# Allegro board BRD-05058-01_B04.brd (continued)
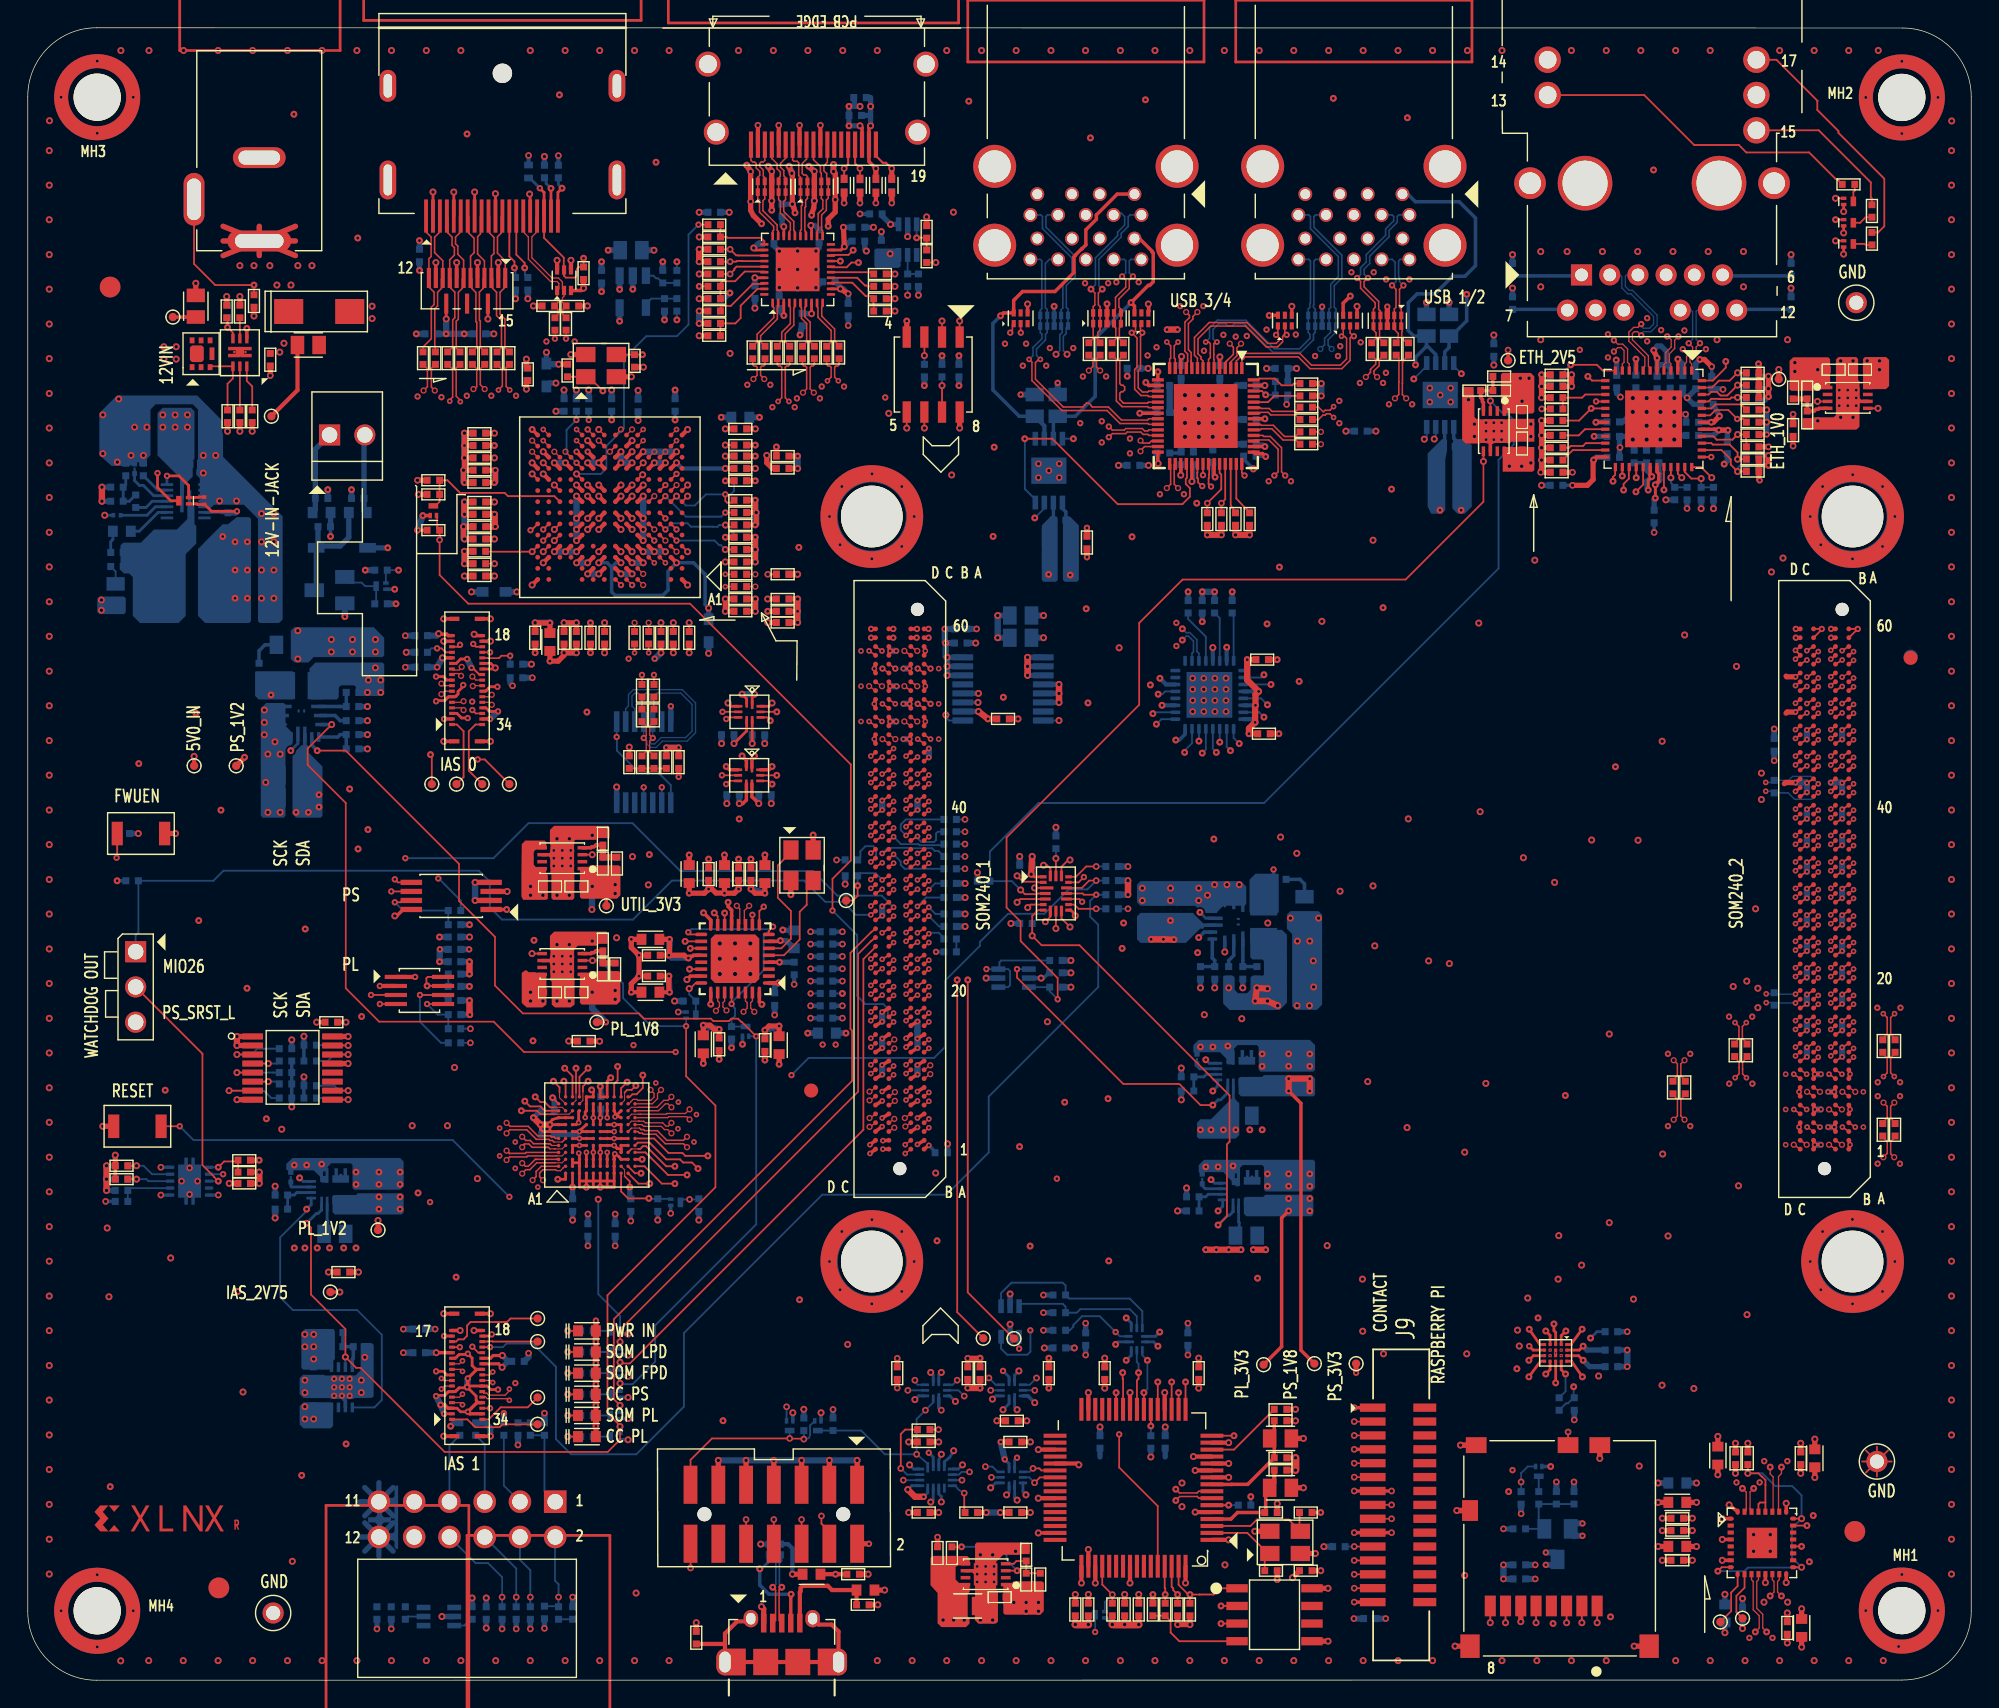
[diagram p0: board, top side]
## Footprints (pads in the part's own frame, mm; a bottom-side part is the same pattern mirrored in y, then rotated) (continued)
  rect 0.26x0.86 smd: 10(-1.25,-2.435) 11(-0.75,-2.435) 12(-0.25,-2.435) 13(0.25,-2.435) 14(0.75,-2.435) 15(1.25,-2.435) 26(1.25,2.435) 27(0.75,2.435) 28(0.25,2.435) 29(-0.25,2.435) 30(-0.75,2.435) 31(-1.25,2.435)
  rrect 3.5x3.5 smd: 33(0,0)
QFN05P500X500X100_32P_330EP
  rrect 0.72x0.26 smd: 1(-2.451,1.75) 2(-2.451,1.25) 3(-2.451,0.75) 4(-2.451,0.25) 5(-2.451,-0.25) 6(-2.451,-0.75) 7(-2.451,-1.25) 8(-2.451,-1.75) 17(2.451,-1.75) 18(2.451,-1.25) 19(2.451,-0.75) 20(2.451,-0.25) 21(2.451,0.25) 22(2.451,0.75) 23(2.451,1.25) 24(2.451,1.75)
  rrect 0.26x0.72 smd: 9(-1.75,-2.451) 10(-1.25,-2.451) 11(-0.75,-2.451) 12(-0.25,-2.451) 13(0.25,-2.451) 14(0.75,-2.451) 15(1.25,-2.451) 16(1.75,-2.451) 25(1.75,2.451) 26(1.25,2.451) 27(0.75,2.451) 28(0.25,2.451) 29(-0.25,2.451) 30(-0.75,2.451) 31(-1.25,2.451) 32(-1.75,2.451)
  rect 3.3x3.3 smd: 33(0,0)
QFN12_MPM3805A
  rrect 1.05x0.2 smd: 1(-1.025,0.7)
  rect 1.05x0.2 smd: 2(-1.025,0.3) 7(1.025,0.3) 8(1.025,0.7)
  custom 1.05x1.2 smd: 3-4(-1.025,-0.675) 5-6(1.025,-0.675)
  rect 0.2x0.7 smd: 9(0.6,1.45) 10(0.2,1.45) 11(-0.2,1.45) 12(-0.6,1.45)
QFN40P140X180X55-10
  rrect 0.7x0.2 smd: 1(-0.55,0.2)
  rrect 0.6x0.2 smd: 2(-0.6,-0.2) 6(0.6,-0.2) 7(0.6,0.2)
  rrect 0.2x0.6 smd: 3(-0.4,-0.8) 4(0,-0.8) 5(0.4,-0.8) 8(0.4,0.8) 9(0,0.8) 10(-0.4,0.8)
QFN40P300X300X100-16_MP8772
  rect 0.9x0.2 smd: 1(-1.35,1.2) 2(-1.35,0.8) 3(-1.35,0.4) 4(-1.35,0) 5(-1.35,-0.4) 6(-1.35,-0.8) 7(-1.35,-1.2) 9(1.35,-1.2) 10(1.35,-0.8) 11(1.35,-0.4) 12(1.35,0) 13(1.35,0.4) 14(1.35,0.8) 15(1.35,1.2)
  rect 0.25x2.6 smd: 8(-0.275,-0.5) 16(0.275,0.5)
QFN_40P200X300X60-20
  rect 0.48x0.23 smd: 1(-0.907,1.2) 2(-0.907,0.8) 6(-0.907,-0.8) 7(-0.907,-1.2) 11(0.907,-1.2) 12(0.907,-0.8) 16(0.907,0.8) 17(0.907,1.2)
  rect 0.975x0.23 smd: 3(-0.663,0.4)
  rect 0.775x0.23 smd: 4(-0.762,0) 5(-0.762,-0.4) 13(0.762,-0.4) 14(0.762,0) 15(0.762,0.4)
  rect 0.23x0.775 smd: 8(-0.4,-1.262) 9(0,-1.262) 10(0.4,-1.262) 18(0.4,1.262) 19(0,1.262) 20(-0.4,1.262)
QFN_MP8904DD_8
  rect 0.7x0.25 smd: 1(-1.45,0.75) 2(-1.45,0.25) 3(-1.45,-0.25) 4(-1.45,-0.75) 5(1.45,-0.75) 6(1.45,-0.25) 7(1.45,0.25) 8(1.45,0.75)
  rect 1.7x1.6 smd: 9(0,0)
QFN_RSV_16
  rect 0.75x0.2 smd: 1(-0.725,0.6)
  rect 0.65x0.2 smd: 2(-0.775,0.2) 3(-0.775,-0.2) 4(-0.775,-0.6) 9(0.775,-0.6) 10(0.775,-0.2) 11(0.775,0.2) 12(0.775,0.6)
  rect 0.2x0.65 smd: 5(-0.6,-1.175) 6(-0.2,-1.175) 7(0.2,-1.175) 8(0.6,-1.175) 13(0.6,1.175) 14(0.2,1.175) 15(-0.2,1.175) 16(-0.6,1.175)
RESC60X30X26
  rect 0.275x0.33 smd: 1(-0.262,0) 2(0.262,0)
RESC100X50X40
  rect 0.5x0.51 smd: 1(-0.45,0) 2(0.45,0)
RESC160X80X65
  rect 0.71x0.81 smd: 1(-0.645,0) 2(0.645,0)
RESC200X125X75
  rect 0.98x1.32 smd: 1(-0.78,0) 2(0.78,0)
SC70_6
  rect 1x0.4 smd: 1(-1.1,0.65) 2(-1.1,0) 3(-1.1,-0.65) 4(1.1,-0.65) 5(1.1,0) 6(1.1,0.65)
SOD_123
  rect 1.2x0.7 smd: 1(-1.85,0) 2(1.85,0)
SOIC8P127W390
  rect 1.55x0.6 smd: 1(-2.7,1.905) 2(-2.7,0.635) 3(-2.7,-0.635) 4(-2.7,-1.905) 5(2.7,-1.905) 6(2.7,-0.635) 7(2.7,0.635) 8(2.7,1.905)
SOIC127P600X175_8
  rect 1.55x0.6 smd: 1(-2.7,1.905) 2(-2.7,0.635) 3(-2.7,-0.635) 4(-2.7,-1.905) 5(2.7,-1.905) 6(2.7,-0.635) 7(2.7,0.635) 8(2.7,1.905)
SON_15P
  rect 0.3x1.45 smd: 1(-2.75,-0.925) 2(-2.25,-0.925) 3(-1.75,-0.925) 4(-1.25,-0.925) 5(-0.75,-0.925) 6(-0.25,-0.925) 7(0.25,-0.925) 8(0.75,-0.925) 9(1.25,-0.925) 10(1.75,-0.925) 11(2.25,-0.925) 12(2.75,-0.925) 13(1.5,0.925) 14(0,0.925) 15(-1.5,0.925)
SOP65P640X120-16
  rrect 1.5x0.45 smd: 1(-2.875,2.275) 2(-2.875,1.625) 3(-2.875,0.975) 4(-2.875,0.325) 5(-2.875,-0.325) 6(-2.875,-0.975) 7(-2.875,-1.625) 8(-2.875,-2.275) 9(2.875,-2.275) 10(2.875,-1.625) 11(2.875,-0.975) 12(2.875,-0.325) 13(2.875,0.325) 14(2.875,0.975) 15(2.875,1.625) 16(2.875,2.275)
SOT95P280X145_5
  rect 0.6x1.2 smd: 1(-0.95,-1.15) 2(0,-1.15) 3(0.95,-1.15) 4(0.95,1.15) 5(-0.95,1.15)
SOT_23
  rect 1x1.4 smd: 1(-0.95,-1.1) 2(0.95,-1.1) 3(0,1.1)
SW_OMRON_2P
  rect 0.81x1.7 smd: 1(-1.706,0) 2(1.706,0)
TP_KEY_MINI
  round 1.524 hole 1.016: 1(0,0)
TP_PAD
  round 0.6 smd: 1(0,0)
TSSOP8_65P440X300MM
  rect 1.55x0.38 smd: 1(-2.875,0.975) 2(-2.875,0.325) 3(-2.875,-0.325) 4(-2.875,-0.975) 5(2.875,-0.975) 6(2.875,-0.325) 7(2.875,0.325) 8(2.875,0.975)
TSSOP065P620X120_16
  rrect 1.5x0.45 smd: 1(-2.9,2.275) 2(-2.9,1.625) 3(-2.9,0.975) 4(-2.9,0.325) 5(-2.9,-0.325) 6(-2.9,-0.975) 7(-2.9,-1.625) 8(-2.9,-2.275) 9(2.9,-2.275) 10(2.9,-1.625) 11(2.9,-0.975) 12(2.9,-0.325) 13(2.9,0.325) 14(2.9,0.975) 15(2.9,1.625) 16(2.9,2.275)
TSSOP_14
  rect 1.5x0.4 smd: 1(-2.92,1.95) 2(-2.92,1.3) 3(-2.92,0.65) 4(-2.92,0) 5(-2.92,-0.65) 6(-2.92,-1.3) 7(-2.92,-1.95) 8(2.92,-1.95) 9(2.92,-1.3) 10(2.92,-0.65) 11(2.92,0) 12(2.92,0.65) 13(2.92,1.3) 14(2.92,1.95)
unnamed#2
  round 1.016 smd: 1(0,0)
unnamed#3
  round 1.499 smd: (0,0)
VQFN05P700X700X100_48_408EP
  rect 0.6x0.24 smd: 1(-3.475,2.751) 2(-3.475,2.25) 3(-3.475,1.75) 4(-3.475,1.25) 5(-3.475,0.749) 6(-3.475,0.249) 7(-3.475,-0.249) 8(-3.475,-0.749) 9(-3.475,-1.25) 10(-3.475,-1.75) 11(-3.475,-2.25) 12(-3.475,-2.751) 25(3.475,-2.751) 26(3.475,-2.25) 27(3.475,-1.75) 28(3.475,-1.25) 29(3.475,-0.749) 30(3.475,-0.249) 31(3.475,0.249) 32(3.475,0.749) 33(3.475,1.25) 34(3.475,1.75) 35(3.475,2.25) 36(3.475,2.751)
  rect 0.24x0.6 smd: 13(-2.751,-3.475) 14(-2.25,-3.475) 15(-1.75,-3.475) 16(-1.25,-3.475) 17(-0.749,-3.475) 18(-0.249,-3.475) 19(0.249,-3.475) 20(0.749,-3.475) 21(1.25,-3.475) 22(1.75,-3.475) 23(2.25,-3.475) 24(2.751,-3.475) 37(2.751,3.475) 38(2.25,3.475) 39(1.75,3.475) 40(1.25,3.475) 41(0.749,3.475) 42(0.249,3.475) 43(-0.249,3.475) 44(-0.749,3.475) 45(-1.25,3.475) 46(-1.75,3.475) 47(-2.25,3.475) 48(-2.751,3.475)
  rect 4.1x4.1 smd: 49(0,0)
VQFN40P700X700X100-56_460EP
  rect 0.86x0.25 smd: 1(-3.45,2.6) 2(-3.45,2.2) 3(-3.45,1.8) 4(-3.45,1.4) 5(-3.45,1) 6(-3.45,0.6) 7(-3.45,0.2) 8(-3.45,-0.2) 9(-3.45,-0.6) 10(-3.45,-1) 11(-3.45,-1.4) 12(-3.45,-1.8) 13(-3.45,-2.2) 14(-3.45,-2.6) 29(3.45,-2.6) 30(3.45,-2.2) 31(3.45,-1.8) 32(3.45,-1.4) 33(3.45,-1) 34(3.45,-0.6) 35(3.45,-0.2) 36(3.45,0.2) 37(3.45,0.6) 38(3.45,1) 39(3.45,1.4) 40(3.45,1.8) 41(3.45,2.2) 42(3.45,2.6)
  rect 0.25x0.86 smd: 15(-2.6,-3.45) 16(-2.2,-3.45) 17(-1.8,-3.45) 18(-1.4,-3.45) 19(-1,-3.45) 20(-0.6,-3.45) 21(-0.2,-3.45) 22(0.2,-3.45) 23(0.6,-3.45) 24(1,-3.45) 25(1.4,-3.45) 26(1.8,-3.45) 27(2.2,-3.45) 28(2.6,-3.45) 43(2.6,3.45) 44(2.2,3.45) 45(1.8,3.45) 46(1.4,3.45) 47(1,3.45) 48(0.6,3.45) 49(0.2,3.45) 50(-0.2,3.45) 51(-0.6,3.45) 52(-1,3.45) 53(-1.4,3.45) 54(-1.8,3.45) 55(-2.2,3.45) 56(-2.6,3.45)
  rect 4.6x4.6 smd: 57(0,0)
VSON-CLIP11_3X3MM
  rrect 0.6x0.24 smd: 1(-1.4,1) 2(-1.4,0.5) 3(-1.4,0) 4(-1.4,-0.5) 5(-1.4,-1) 6(1.4,-1) 7(1.4,-0.5) 8(1.4,0) 9(1.4,0.5) 10(1.4,1)
  custom 1.65x3.4 smd: 11(0,0)
WLCSP20_04P_4X5
  rrect 0.225x0.225 smd: A1(-0.6,0.8) A2(-0.2,0.8) A3(0.2,0.8) A4(0.6,0.8) B1(-0.6,0.4) B2(-0.2,0.4) B3(0.2,0.4) B4(0.6,0.4) C1(-0.6,0) C2(-0.2,0) C3(0.2,0) C4(0.6,0) D1(-0.6,-0.4) D2(-0.2,-0.4) D3(0.2,-0.4) D4(0.6,-0.4) E1(-0.6,-0.8) E2(-0.2,-0.8) E3(0.2,-0.8) E4(0.6,-0.8)
WQFN_40
  rrect 0.6x0.2 smd: 1(-2.4,1.8) 2(-2.4,1.4) 3(-2.4,1) 4(-2.4,0.6) 5(-2.4,0.2) 6(-2.4,-0.2) 7(-2.4,-0.6) 8(-2.4,-1) 9(-2.4,-1.4) 10(-2.4,-1.8) 21(2.4,-1.8) 22(2.4,-1.4) 23(2.4,-1) 24(2.4,-0.6) 25(2.4,-0.2) 26(2.4,0.2) 27(2.4,0.6) 28(2.4,1) 29(2.4,1.4) 30(2.4,1.8)
  rrect 0.2x0.6 smd: 11(-1.8,-2.4) 12(-1.4,-2.4) 13(-1,-2.4) 14(-0.6,-2.4) 15(-0.2,-2.4) 16(0.2,-2.4) 17(0.6,-2.4) 18(1,-2.4) 19(1.4,-2.4) 20(1.8,-2.4) 31(1.8,2.4) 32(1.4,2.4) 33(1,2.4) 34(0.6,2.4) 35(0.2,2.4) 36(-0.2,2.4) 37(-0.6,2.4) 38(-1,2.4) 39(-1.4,2.4) 40(-1.8,2.4)
  rect 3.15x3.15 smd: 41(0,0)
XTAL_320X250X71
  rect 1.4x1.1 smd: 1(-1.1,-0.8) 2(1.1,-0.8) 3(1.1,0.8) 4(-1.1,0.8)

## Nets
5V0_IN: C3.1 C4.1 C6.1 C10.1 C11.1 C20.1 C23.1 C26.1 C29.1 C32.1 C33.1 C34.1 C35.1 C39.1 C43.1 C75.1 C261.1 C273.1 C311.1 C312.1 C313.1 C314.1 C317.1 C318.1 C328.1 L1.2 R4.1 R7.1 R12.1 R28.1 R30.1 R209.1 R243.1 TP5.1(TP) U1.15(VIN) U2.15(VIN) U3.7(VIN) U4.7(VIN) U5.7(VIN) U7.5 U7.8 U8.8 U9.8 U14.1 U14.2 U14.3 U14.12 U19.1(VDD) U37.21 U45.2 U47.2 U48.1 U70.5
5V0_IN_EN: R34.2 U6.3
5V0_IN_FB: R32.1 U6.4
5V0_IN_SS: C40.1 U6.6
5V0_IN_SW: C37.2 C319.1 L1.1 U6.16
5V0_IN_VCC: C38.1 Q21.1 R265.1 U6.14
12V_FAN_GND: C209.1 J13.2(P2) L9.1
12V_FAN_PWR: C210.1 J13.1 L8.1
12V_IN: C30.1 C31.1 C36.1 C203.1 C208.1 D2.1(CATHODE) L8.2 Q5.1 Q5.2 Q5.5 Q5.6 Q5.7 R34.1 TP3.1(TP) U6.8(VIN)
12V_IN_JACK: C204.1 C205.1 D1.1(CATHODE) J12.1 R133.1 TP1.1(TP) U41.1-2(VCC)
12V_IN_SOURCE: Q5.4 Q5.8(SPAD) U41.6-7
AGND1: U6.5 Z1.2(NET2)
AGND2: U3.11 Z4.2(NET2)
AGND3: U5.11 Z5.2(NET2)
AGND4: U4.11 Z2.2(NET2)
AVDD12: C107.1 C113.1 C241.1 C242.1 C243.1 C244.1 C245.1 C246.1 C247.1 C248.1 C337.1 C338.1 C339.1 L10.1 R81.1 R84.1 U27.C5 U27.C6 U27.C9 U27.C10 U27.K13 U27.M2 U27.M5 U27.M10 U27.N9
AVDD33: C106.1 C251.1 C252.1 C253.1 C254.1 C255.1 C342.1 L11.1 R80.1 U27.C2 U27.C7 U27.C8 U27.C13 U27.M13 U27.N6
GND: C1.2 C2.2 C3.2 C4.2 C6.2 C7.2 C8.2 C10.2 C11.2 C12.2 C15.2 C16.2 C17.2 C18.2 C19.2 C20.2 C22.2 C23.2 C24.2 C25.2 C26.2 C28.2 C29.2 C30.2 C31.2 C32.2 C33.2 C34.2 C35.2 C36.2 C38.2 C40.2 C42.2 C43.2 C45.2 C48.2 C49.2 C50.2 C51.2 C52.2 C53.2 C54.2 C55.2 C56.2 C57.2 C58.2 C59.2 C60.2 C61.2 C62.2 C63.2 C64.2 C65.2 C66.2 C67.2 C68.2 C69.2 C70.2 C71.2 C72.2 C73.2 C74.2 C75.2 C78.2 C79.2 C80.2 C81.2 C82.2 C83.2 C84.2 C85.2 C86.2 C87.2 C89.2 C90.2 C91.2 C92.2 C93.2 C94.2 C95.2 C96.2 C97.2 C98.2 C99.2 C100.2 C101.2 C102.2 C103.2 C104.2 C105.2 C106.2 C107.2 C108.2 C109.2 C110.2 C113.2 C114.2 C115.2 C116.2 C125.2 C126.2 C127.2 C128.2 C129.2 C130.2 C131.2 C132.2 C133.2 C134.2 C135.2 C136.2 C137.2 C140.2 C141.2 C142.2 C143.2 C144.2 C145.2 C146.2 C147.2 C148.2 C149.2 C150.2 C151.2 C152.2 C153.2 C154.2 C155.2 C156.2 C157.2 C158.2 C159.2 C160.2 C161.2 C162.2 C163.2 C164.2 C165.2 C166.2 C167.2 C168.2 C169.2 C170.2 C171.2 C173.2 C175.2 C176.2 C177.2 C178.2 C189.2 C190.2 C191.2 C192.2 C193.2 C194.2 C195.2 C196.2 C197.2 C198.2 C199.2 C200.2 C201.2 C202.2 C203.2 C204.2 C205.2 C206.2 C207.2 C209.2 C210.2 C217.2 C218.2 C219.2 C220.2 C221.2 C222.2 C223.2 C225.2 C234.2 C235.2 C236.2 C237.2 C238.2 C239.2 C240.2 C241.2 C242.2 C243.2 C244.2 C245.2 C246.2 C247.2 C248.2 C249.2 C250.2 C251.2 C252.2 C253.2 C254.2 C255.2 C256.2 C257.2 C258.2 C259.2 C260.2 C261.2 C262.2 C263.2 C265.2 C266.2 C269.2 C270.2 C271.2 C272.2 C273.2 C274.2 C275.2 C276.2 C277.2 C278.1 C283.2 C284.2 C285.2 C286.2 C289.2 C290.2 C291.2 C292.2 C293.2 C294.2 C295.2 C296.2 C297.2 C298.2 C299.2 C300.2 C303.2 C304.2 C311.2 C312.2 C313.2 C314.2 C317.2 C318.2 C323.2 C324.2 C325.2 C326.2 C328.2 C329.2 C330.2 C331.2 C332.2 C333.2 C334.2 C335.2 C336.2 C337.2 C338.2 C339.2 C340.2 C341.2 C342.2 C343.2 C344.2 C353.2 C354.2 C355.2 C356.2 C357.2 C358.2 C359.2 C360.2 C361.2 C362.2 C363.2 C364.2 C365.2 C366.2 C369.2 C370.2 C371.2 C372.2 C373.2 C374.2 C375.2 C376.2 C377.2 C378.2 C379.2 C380.2 D1.2 J2.9(P9) J2.10 J3.1 J3.3 J3.5 J3.7 J3.9(P9) J3.11 J5.2(TMDS_D2_SHLD) J5.5 J5.8 J5.11 J5.17 J5.20 J5.21 J5.22 J5.23 J6.2 J6.5 J6.8 J6.11 J6.16 J6.21 J6.22 J6.23 J6.24(SHLD#24) J7.2 J7.3 J7.6 J7.9 J7.12 J7.16 J7.19 J7.25 J7.28 J7.31 J7.33 J7.G1 J7.G2 J7.G3 J7.G4 J8.2 J8.3 J8.6 J8.9 J8.12 J8.16 J8.19 J8.25 J8.28 J8.31 J8.33 J8.G1 J8.G2 J8.G3 J8.G4 J9.1 J9.4 J9.7 J9.10($PIN9) J10.SH1 J10.SH2 J11.6(VSS) J11.9 J11.10 J11.11 J11.12 J11.14 J12.2 J15.1(P1) J16.1(P1) J17.1(P1) JA1.A2 JA1.A5 JA1.A8 JA1.A11 JA1.A14 JA1.A18 JA1.A21 JA1.A26 JA1.A33 JA1.A37 JA1.A41 JA1.A45 JA1.A46 JA1.A49 JA1.A50 JA1.A53 JA1.A54 JA1.A57 JA1.A58 JA1.B3 JA1.B6 JA1.B9 JA1.B12 JA1.B15 JA1.B19 JA1.B23 JA1.B27 JA1.B31 JA1.B35 JA1.B39 JA1.B43 JA1.B47 JA1.B48 JA1.B51 JA1.B52 JA1.B55 JA1.B56 JA1.B59 JA1.C1 JA1.C2 JA1.C5 JA1.C8 JA1.C11 JA1.C14 JA1.C17 JA1.C21 JA1.C25 JA1.C29 JA1.C33 JA1.C37 JA1.C41 JA1.C46 JA1.C49 JA1.C50 JA1.C53 JA1.C54 JA1.C57 JA1.C58 JA1.D3 JA1.D6 JA1.D9 JA1.D12 JA1.D15 JA1.D19 JA1.D23 JA1.D27 JA1.D31 JA1.D35 JA1.D39 JA1.D43 JA1.D47 JA1.D48 JA1.D51 JA1.D52 JA1.D55 JA1.D56 JA1.D59 JA2.A1 JA2.A2 JA2.A5 JA2.A6 JA2.A9 JA2.A10 JA2.A13 JA2.A16 JA2.A19 JA2.A22 JA2.A25 JA2.A28 JA2.A31 JA2.A34 JA2.A37 JA2.A40 JA2.A43 JA2.A45 JA2.A49 JA2.A53 JA2.A57 JA2.B3 JA2.B4 JA2.B7 JA2.B8 JA2.B11 JA2.B14 JA2.B17 JA2.B20 JA2.B23 JA2.B26 JA2.B29 JA2.B32 JA2.B35 JA2.B38 JA2.B41 JA2.B43 JA2.B47 JA2.B51 JA2.B55 JA2.C1 JA2.C2 JA2.C5 JA2.C6 JA2.C9 JA2.C10 JA2.C13 JA2.C16 JA2.C19 JA2.C22 JA2.C25 JA2.C28 JA2.C31 JA2.C34 JA2.C37 JA2.C40 JA2.C43 JA2.C45 JA2.C49 JA2.C53 JA2.C57 JA2.D3 JA2.D4 JA2.D7 JA2.D8 JA2.D11 JA2.D14 JA2.D17 JA2.D20 JA2.D23 JA2.D26 JA2.D29 JA2.D32 JA2.D35 JA2.D38 JA2.D41 JA2.D43 JA2.D47 JA2.D51 JA2.D55 L5.1 MH1.1 MH2.1 MH3.1 MH4.1 MH5.1(GND) MH6.1(GND) MH7.1(GND) MH8.1(GND) Q2.2(SOURCE) Q3.2(SOURCE) Q4.2(SOURCE) Q6.2(SOURCE) Q7.2(SOURCE) Q8.2(SOURCE) Q9.2(SOURCE) Q10.2(SOURCE) Q11.2(SOURCE) Q12.2(SOURCE) Q13.2(SOURCE) Q15.2(SOURCE) Q16.2(SOURCE) Q17.2(SOURCE) Q18.2(SOURCE) Q19.2(SOURCE) Q20.2(SOURCE) R2.2 R5.2 R15.2 R16.2 R17.2 R20.2 R23.2 R26.2 R29.2 R31.2 R38.2 R41.2 R42.2 R43.2 R44.2 R50.2 R51.2 R73.2 R79.1 R89.2 R116.2 R117.2 R118.2 R119.2 R120.2 R121.2 R122.2 R123.2 R126.2 R134.2 R135.2 R151.2 R153.2 R154.2 R155.2 R162.2 R163.2 R164.2 R165.2 R171.2 R174.2 R176.2 R187.2 R188.2 R189.2 R190.2 R194.2 R199.2 R200.2 R202.2 R203.2 R206.2 R213.2 R219.2 R220.2 R221.2 R222.2 R223.2 R224.2 R225.2 R240.2 R241.2 R261.2 R262.2 R263.2 R271.2 SW1.1 SW2.1 U1.1 U1.2 U1.3 U1.17 U1.18 U2.1 U2.2 U2.3 U2.17 U2.18 U3.1 U3.2 U4.1 U4.2 U5.1 U5.2 U6.9 U6.10 U6.11 U6.12 U6.13 U7.6 U7.9 U8.6 U8.9 U9.6 U9.9 U10.6 U10.9 U11.6 U11.9 U12.6 U12.9 U13.5 U13.11 U14.4 U14.5 U14.6 U14.11 U15.2 U15.3 U15.4 U16.1 U17.33 U18.1 U18.2 U18.8 U19.11 U22.5 U22.10 U22.11 U22.16 U23.2 U24.1 U24.5 U24.10 U24.11 U24.13 U24.15 U24.25 U24.35 U24.47 U24.51 U25.1 U25.3 U26.5(VSS) U27.A1 U27.A14 U27.B6 U27.B7 U27.B8 U27.B9 U27.D3 U27.D4 U27.D5 U27.D7 U27.D8 U27.D10 U27.D11 U27.D12 U27.F6 U27.F7 U27.F8 U27.F9 U27.G6 U27.G7 U27.G8 U27.G9 U27.H6 U27.H7 U27.H8 U27.H9 U27.J6 U27.J7 U27.J8 U27.J9 U27.L3 U27.L4 U27.L6 U27.L7 U27.L8 U27.L9 U27.L11 U27.L12 U27.M7 U27.M8 U27.P1 U27.P14 U28.1 U28.2 U28.3 U29.7 U30.1 U30.2 U30.3 U31.4 U32.41 U33.2 U34.A11 U34.B1 U34.C4 U34.C5 U34.C6 U34.C7 U34.D11 U34.E2 U34.E3 U34.E5 U34.E6 U34.E7 U34.E8 U34.F2 U34.F3 U34.F5 U34.F6 U34.F7 U34.F8 U34.F10 U34.F11 U34.G2 U34.G3 U34.G5 U34.G6 U34.G7 U34.G8 U34.G10 U34.G11 U34.H2 U34.H3 U34.H5 U34.H6 U34.H7 U34.H8 U34.H10 U34.H11 U34.K4 U34.K5 U34.K6 U34.K7 U34.K8 U34.L2 U34.L5 U34.L6 U36.49 U37.23 U37.33 U38.C2 U38.C3 U40.33 U41.3 U42.2 U43.57 U44.4 U44.7 U44.13 U44.16 U44.19 U44.20 U44.21 U44.22 U45.1 U45.9 U46.4 U46.7 U46.13 U46.16 U46.19 U46.20 U46.21 U46.22 U47.1 U47.9 U48.2 U49.2 U50.3 U50.8 U51.3 U51.8 U52.2 U55.2 U58.2 U61.2 U61.5 U61.8 U61.11 U62.3 U64.1 U64.2 U64.3 U65.1 U65.2 U65.3 U66.3 U66.8 U67.3 U67.8 U68.3 U68.8 U69.3 U69.8 U70.2 U71.3 X1.4 X2.2 X2.4 X3.2 X3.4 X4.2 X4.4 X5.4 X6.4 X7.4 X8.4 Z1.1 Z2.1 Z4.1 Z5.1
VCC_BATT: JA1.A1 R44.1
VCCOEN_PL_M2C: JA1.A20 U4.9 U5.9 U8.5 U9.5
VCCOEN_PS_M2C: JA1.A19 U1.12 U2.12 U3.9
AP1302_GPIO2_NC: U34.A10
AP1302_GPIO3_NC: U34.M5
AP1302_GPIO4_NC: U34.M6
AP1302_GPIO5_NC: U34.M4
AP1302_GPIO6_NC: U34.L4
AP1302_GPIO7_NC: U34.B12
AP1302_GPIO8_NC: U34.L12
AP1302_GPIO9_NC: U34.K12
AP1302_GPIO10_NC: U34.J12
AP1302_STANDBY_LS: Q1.2(SOURCE) R91.2 U34.K1
CC_PL_PGOOD: Q10.1 Q16.1 R28.2 U4.8 U5.8 U8.3(PG) U9.3(PG) U19.7
CC_PL_PGOOD_LS_B: Q16.3 R237.2 U17.24
CC_PS_PGOOD: Q8.1 Q11.1 R7.2 U2.14 U3.8 U10.3(PG) U12.3(PG) U19.4 U70.4(Y2)
CC_PS_PGOOD_LS_B: Q11.3 R232.2 U17.8 U17.17 U17.28
CC_PS_POR_B: SW2.2(SW2) U19.3
DP_3V3: C266.1 C365.1 J6.20 U33.1(OUT) U62.4
DP_AUX_C_N: C112.2 R85.1
DP_AUX_C_P: C111.2 R83.1
DP_AUX_C_R_N: R85.2 U27.A7
DP_AUX_C_R_P: R83.2 U27.A6
DP_AUX_N: C112.1 R173.2 U29.9 U29.11
DP_AUX_P: C111.1 R172.2 U29.10 U29.12
DP_PWR_EN: R196.2 R197.2 U33.4
DP_PWR_FAULT_B: R195.2 R198.2 U33.3
DP_TX1_AUX_C_N: C267.2 J6.17 R205.2 U62.2
DP_TX1_AUX_C_P: C268.2 J6.15 R206.1 U62.1
DP_TX1_AUX_N: C267.1 U27.P8
DP_TX1_AUX_P: C268.1 U27.P9
DP_TX1_HPD_IN: C366.1 J6.18 R199.1 U27.D1 U62.5
DP_TX1_LN0_C_N: C118.2 J6.3 U61.10
DP_TX1_LN0_C_P: C117.2 J6.1 U61.12
DP_TX1_LN0_N: C118.1 U27.N14
DP_TX1_LN0_P: C117.1 U27.M14
DP_TX1_LN1_C_N: C120.2 J6.6 U61.7
DP_TX1_LN1_C_P: C119.2 J6.4 U61.9
DP_TX1_LN1_N: C120.1 U27.N13
DP_TX1_LN1_P: C119.1 U27.P13
DP_TX1_LN2_C_N: C122.2 J6.9 U61.4
DP_TX1_LN2_C_P: C121.2 J6.7 U61.6
DP_TX1_LN2_N: C122.1 U27.M11
DP_TX1_LN2_P: C121.1 U27.M12
DP_TX1_LN3_C_N: C124.2 J6.12 U61.1
DP_TX1_LN3_C_P: C123.2 J6.10 U61.3
DP_TX1_LN3_N: C124.1 U27.P10
DP_TX1_LN3_P: C123.1 U27.N10
EEPROM_WC_B: Q19.3 R255.2
EEPROM_WC_B_R: R255.1 R256.1 U15.7(WC_B)
ETH_1V0: C14.1 C16.1 C152.1 C153.1 C154.1 C155.1 C162.1 C163.1 C164.1 C165.1 C166.1 C167.1 R6.1 TP17.1(TP) U12.1 U36.6 U36.24 U36.31 U36.42
ETH_1V0_FB: C14.2 R6.2 R17.1 U12.4
ETH_2V5: C12.1 C13.1 C148.1 C149.1 C150.1 C151.1 C160.1 C161.1 R10.1 TP13.1(TP) U10.1 U36.3 U36.9
ETH_2V5_FB: C13.2 R10.2 R15.1 U10.4
ETH_REF_CLK: C172.2 U17.15
ETH_REG_EN: R244.2 U10.5 U12.5 U70.6
ETH_RESET_B: R125.2 U19.16 U36.43
FB_UTIL_3V3: C41.2 R38.1 R39.2 U7.4
FTDI_3V3_FB: C44.2 R36.2 R41.1 U11.4
FTDI_3V3_PG: R40.2 U11.3(PG)
FTDI_EEPROM_WC: Q19.1 R262.1 U24.52
FTDI_LS_OE_B: Q13.1 R235.2 U24.22
FTDI_PS_POR_B: U24.23 U71.8
FTDI_PS_POR_B_LS: R266.2 U23.1 U71.5
FTDI_PS_SRST_B: U24.24 U71.9
FTDI_PS_SRST_B_LS: R267.2 U23.3 U71.4
FTDI_PWREN_B: R268.2 U24.60 U71.2
FTDI_TCK: U22.6 U24.16
FTDI_TDI: U22.7 U24.17
FTDI_TDO: U24.18 U25.9
FTDI_TMS: U24.19 U25.8
FTDI_UARTB_RXD: U24.27 U64.9
FTDI_UARTB_TXD: U24.26 U64.8
FTDI_UARTC_RXD: U24.39 U65.9
FTDI_UARTC_TXD: U24.38 U65.8
FWUEN_C2M_B: C236.1 JA1.C28 SW1.2(SW2)
GEM_GPIO0: R105.2 R117.1 U36.39
GEM_GPIO1: R104.2 R116.1 U36.40
GEM_LED0: Q4.1 R108.2 R120.1 U36.47
GEM_LED0_CA: J10.15 R127.2
GEM_LED1: Q3.1 R107.2 R119.1 U36.46
GEM_LED1_CA: J10.17 R124.2
GEM_LED2: Q2.1 R106.2 R118.1 U36.45
GEM_LED2_CA: J10.13 R112.2
GEM_NC1: U36.48
GEM_NC2: U36.13
GEM_TD_A_N: J10.10 U36.2
GEM_TD_A_P: J10.11 U36.1
GEM_TD_B_N: J10.5 U36.5
GEM_TD_B_P: J10.4 U36.4
GEM_TD_C_N: J10.2 U36.8
GEM_TD_C_P: J10.3 U36.7
GEM_TD_D_N: J10.9 U36.11
GEM_TD_D_P: J10.8 U36.10
GEM_XTAL_IN: C172.1 C173.1 U36.15
GTH_DP0_C2M_N: C347.2 JA2.B10
GTH_DP0_C2M_P: C345.2 JA2.B9
GTH_DP0_M2C_N: C347.1 JA2.D10
GTH_DP0_M2C_P: C345.1 JA2.D9
GTH_DP1_C2M_N: C351.2 JA2.D2
GTH_DP1_C2M_P: C349.2 JA2.D1
GTH_DP1_M2C_N: C351.1 JA2.C8
GTH_DP1_M2C_P: C349.1 JA2.C7
GTH_DP2_C2M_N: C348.2 JA2.B2
GTH_DP2_C2M_P: C346.2 JA2.B1
GTH_DP2_M2C_N: C348.1 JA2.B6
GTH_DP2_M2C_P: C346.1 JA2.B5
GTH_DP3_C2M_N: C352.2 JA2.D6
GTH_DP3_C2M_P: C350.2 JA2.D5
GTH_DP3_M2C_N: C352.1 JA2.A4
GTH_DP3_M2C_P: C350.1 JA2.A3
GTH_REFCLK0_C2M_N: JA2.C4 U40.11
GTH_REFCLK0_C2M_P: JA2.C3 U40.12
GTH_REFCLK1_C2M_N: JA2.A8 U40.14
GTH_REFCLK1_C2M_P: JA2.A7 U40.15
GTR_DP0_C2M_N_NC: JA1.A56
GTR_DP0_C2M_P_NC: JA1.A55
GTR_DP0_M2C_N: C214.1 JA1.B58
GTR_DP0_M2C_P: C213.1 JA1.B57
GTR_DP1_C2M_N_NC: JA1.C56
GTR_DP1_C2M_P_NC: JA1.C55
GTR_DP1_M2C_N: C212.1 JA1.A48
GTR_DP1_M2C_P: C211.1 JA1.A47
GTR_DP2_C2M_C_N: C309.2 U43.48
GTR_DP2_C2M_C_P: C310.2 U43.47
GTR_DP2_C2M_N: C309.1 JA1.B54
GTR_DP2_C2M_P: C310.1 JA1.B53
GTR_DP2_M2C_C_N: C315.2 U43.51
GTR_DP2_M2C_C_P: C316.2 U43.50
GTR_DP2_M2C_N: C315.1 JA1.D58
GTR_DP2_M2C_P: C316.1 JA1.D57
GTR_DP3_C2M_N_NC: JA1.D50
GTR_DP3_C2M_P_NC: JA1.D49
GTR_DP3_M2C_N_NC: JA1.C52
GTR_DP3_M2C_P_NC: JA1.C51
GTR_REFCLK0_C2M_N: JA1.C48 U17.30
GTR_REFCLK0_C2M_P: JA1.C47 U17.31
GTR_REFCLK1_C2M_N: JA1.B50 U17.26
GTR_REFCLK1_C2M_P: JA1.B49 U17.27
GTR_REFCLK2_C2M_N: JA1.D54 U17.11
GTR_REFCLK2_C2M_P: JA1.D53 U17.12
GTR_REFCLK3_C2M_N_NC: JA1.A52
GTR_REFCLK3_C2M_P_NC: JA1.A51
HDA00_CC: JA1.D16 R60.2 U18.14
HDA01: JA1.D17 R65.2 U18.15
HDA02: JA1.D18 U19.8
HDA03: JA1.B16 Q1.3 R90.2
HDA04: JA1.B17 U19.9
HDA05_NC: JA1.B18
HDA06_NC: JA1.C18
HDA07_NC: JA1.C19
HDA08_CC_NC: JA1.C20
HDA09: JA1.A15 U19.10
HDA10: J9.12 JA1.A16
HDA11: JA1.A17 R276.1
HDA12: JA1.D20 R278.1
HDA13: JA1.D21 R280.1
HDA14: JA1.D22 R282.1
HDA15: JA1.B20 R277.1
HDA16_CC: JA1.B21 R279.1
HDA17: JA1.B22 R281.1
HDA18: JA1.C22 R283.1
HDA19_NC: JA1.C23
HDA20: JA1.C24 Q20.1 R261.1
HDB01_HDB00_CC: JA2.D44 JA2.D45
HDB03_HDB02: JA2.D46 JA2.D48
HDB05_HDB04: JA2.D49 JA2.D50
HDB07_HDB06: JA2.C46 JA2.C47
HDB09_HDB08_CC: JA2.C48 JA2.C50
HDB11_HDB10: JA2.C51 JA2.C52
HDB13_HDB12: JA2.B44 JA2.B45
HDB15_HDB14: JA2.B46 JA2.B48
HDB17_HDB16_CC: JA2.B49 JA2.B50
HDB19_HDB18: JA2.A46 JA2.A47
HDB21_HDB20: JA2.A48 JA2.A50
HDB23_HDB22: JA2.A51 JA2.A52
HDC01_HDC00_CC: JA2.D52 JA2.D53
HDC03_HDC02: JA2.D54 JA2.D56
HDC05_HDC04: JA2.D57 JA2.D58
HDC07_HDC06: JA2.C54 JA2.C55
HDC09_HDC08_CC: JA2.C56 JA2.C58
HDC11_HDC10: JA2.C59 JA2.C60
HDC13_HDC12: JA2.B52 JA2.B53
HDC15_HDC14: JA2.B54 JA2.B56
HDC17_HDC16_CC: JA2.B57 JA2.B58
HDC19_HDC18: JA2.A54 JA2.A55
HDC21_HDC20: JA2.A56 JA2.A58
HDC23_HDC22: JA2.A59 JA2.A60
HDMI_5V0: C262.1 C263.1 C361.1 J5.18 R192.1 R193.1 U48.6(OUT) U49.1(I/O)
HDMI_DDC_EN: R178.2 R186.2 U32.36
HDMI_DDC_SCL: C363.1 J5.15 R192.2 U32.33 U55.1(I/O)
HDMI_DDC_SCL_LS: R137.2 U27.D13 U32.18
HDMI_DDC_SDA: C362.1 J5.16 R193.2 U32.34 U58.1(I/O)
HDMI_DDC_SDA_LS: R138.2 U27.D14 U32.17
HDMI_HPD_IN: C364.1 J5.19 R194.1 U32.35 U52.1(I/O)
HDMI_HPD_IN_LS: U27.E4 U32.16
HDMI_HPDINV: R189.1 U32.38
HDMI_I2C_EN: R181.2 U32.14
HDMI_OE_B: R185.2 R187.1 U32.31
HDMI_OVS: R180.2 R188.1 U32.39
HDMI_PWR_FLT_B_R: R183.2 R184.2 U48.5
HDMI_PWR_ON_R: R177.2 R182.2 U48.3
HDMI_SRC: R179.2 R190.1 U32.13
HDMI_TMDS_C_N: J5.12 U32.21 U51.5 U51.6
HDMI_TMDS_C_P: J5.10 U32.22 U51.4 U51.7
HDMI_TMDS_D0_N: J5.3 U32.29 U50.2 U50.9
HDMI_TMDS_D0_P: J5.1 U32.30 U50.1 U50.10(NC4)
HDMI_TMDS_D1_N: J5.6 U32.26 U50.5 U50.6
HDMI_TMDS_D1_P: J5.4 U32.27 U50.4 U50.7
HDMI_TMDS_D2_N: J5.9 U32.24 U51.2 U51.9
HDMI_TMDS_D2_P: J5.7 U32.25 U51.1 U51.10(NC4)
HDMI_TX0_LN0_C_N: C226.2 U32.2
HDMI_TX0_LN0_C_P: C227.2 U32.1
HDMI_TX0_LN0_N: C226.1 U27.P6
HDMI_TX0_LN0_P: C227.1 U27.P7
HDMI_TX0_LN1_C_N: C228.2 U32.5
HDMI_TX0_LN1_C_P: C229.2 U32.4
HDMI_TX0_LN1_N: C228.1 U27.N5
HDMI_TX0_LN1_P: C229.1 U27.P5
HDMI_TX0_LN2_C_N: C230.2 U32.7
HDMI_TX0_LN2_C_P: C231.2 U32.6
HDMI_TX0_LN2_N: C230.1 U27.M3
HDMI_TX0_LN2_P: C231.1 U27.M4
HDMI_TX0_LN3_C_N: C232.2 U32.10
HDMI_TX0_LN3_C_P: C233.2 U32.9
HDMI_TX0_LN3_N: C232.1 U27.P2
HDMI_TX0_LN3_P: C233.1 U27.N2
HDMI_VSADJ: R89.1 U32.15(VSADJ)
HPA00_CC_N: JA1.C4 U34.M7
HPA00_CC_P: JA1.C3 U34.L7
HPA01_N: JA1.D8 U34.M11
HPA01_P: JA1.D7 U34.L11
HPA02_N: JA1.D5 U34.M10
HPA02_P: JA1.D4 U34.L10
HPA03_N: JA1.C7 U34.M9
HPA03_P: JA1.C6 U34.L9
HPA04_N: JA1.B5 U34.M8
HPA04_P: JA1.B4 U34.L8
HPA05_CC_N: J8.8 JA1.B2
HPA05_CC_P: J8.7 JA1.B1
HPA06_N: J8.5 JA1.A4
HPA06_P: J8.4 JA1.A3
HPA07_N: J8.29 JA1.B8
HPA07_P: J8.30 JA1.B7
HPA08_N: J8.26 JA1.C10
HPA08_P: J8.27 JA1.C9
HPA09_N: J8.11 JA1.D11
HPA09_P: J8.10($PIN9) JA1.D10
HPA10_CC_N: J9.8 JA1.C13
HPA10_CC_P: J9.9 JA1.C12
HPA11_N: J9.2 JA1.B11
HPA11_P: J9.3 JA1.B10
HPA12_N: J9.5 JA1.A10
HPA12_P: J9.6 JA1.A9
HPA13_N_NC: JA1.A13
HPA13_P_NC: JA1.A12
HPA14_N_NC: JA1.D14
HPA14_P_NC: JA1.D13
HPA_CLK0_N_NC: JA1.A7
HPA_CLK0_P_NC: JA1.A6
HPB00_HPB05_CC_N: JA2.B19 JA2.D16
HPB00_HPB05_CC_P: JA2.B18 JA2.D15
HPB01_HPB06_N: JA2.A21 JA2.D13
HPB01_HPB06_P: JA2.A20 JA2.D12
HPB02_HPB07_N: JA2.B16 JA2.C18
HPB02_HPB07_P: JA2.B15 JA2.C17
HPB03_HPB08_N: JA2.A15 JA2.B25
HPB03_HPB08_P: JA2.A14 JA2.B24
HPB04_HPB09_N: JA2.C12 JA2.D22
HPB04_HPB09_P: JA2.C11 JA2.D21
HPB10_HPB15_CC_N: JA2.A12 JA2.B13
HPB10_HPB15_CC_P: JA2.A11 JA2.B12
HPB11_HPB16_N: JA2.A24 JA2.B22
HPB11_HPB16_P: JA2.A23 JA2.B21
HPB12_HPB17_N: JA2.A18 JA2.D25
HPB12_HPB17_P: JA2.A17 JA2.D24
HPB13_HPB18_N: JA2.C21 JA2.C24
HPB13_HPB18_P: JA2.C20 JA2.C23
HPB14_HPB19_N: JA2.A27 JA2.C15
HPB14_HPB19_P: JA2.A26 JA2.C14
HPB_CLK0_N: JA2.D19 R284.2 U40.26
HPB_CLK0_P: JA2.D18 R284.1 U40.27
HPC00_HPC05_CC_N: JA2.C39 JA2.D34
HPC00_HPC05_CC_P: JA2.C38 JA2.D33
HPC01_HPC06_N: JA2.B28 JA2.D31
HPC01_HPC06_P: JA2.B27 JA2.D30
HPC02_HPC07_N: JA2.B37 JA2.D37
HPC02_HPC07_P: JA2.B36 JA2.D36
HPC03_HPC08_N: JA2.A30 JA2.A42
HPC03_HPC08_P: JA2.A29 JA2.A41
HPC04_HPC09_N: JA2.D28 JA2.D40
HPC04_HPC09_P: JA2.D27 JA2.D39
HPC10_HPC15_CC_N: JA2.A39 JA2.C30
HPC10_HPC15_CC_P: JA2.A38 JA2.C29
HPC11_HPC16_N: JA2.B34 JA2.C33
HPC11_HPC16_P: JA2.B33 JA2.C32
HPC12_HPC17_N: JA2.C27 JA2.C36
HPC12_HPC17_P: JA2.C26 JA2.C35
HPC13_HPC18_N: JA2.B31 JA2.B40
HPC13_HPC18_P: JA2.B30 JA2.B39
HPC14_HPC19_N: JA2.A33 JA2.A36
HPC14_HPC19_P: JA2.A32 JA2.A35
HPC_CLK0_N: JA2.C42 R285.2 U40.30
HPC_CLK0_P: JA2.C41 R285.1 U40.31
I2C_SCK: JA1.C26 U16.3
I2C_SCK_LS: R55.2 R287.1 U14.9 U15.6 U16.6 U27.J12
I2C_SDA: JA1.C27 U16.4
I2C_SDA_LS: R56.2 R286.1 U14.8 U15.5 U16.5 U27.K14
IAS0_CLK_D_N: J7.8 U34.B4
IAS0_CLK_D_P: J7.7 U34.A4
IAS0_D0_D_N: J7.5 U34.B2
IAS0_D0_D_P: J7.4 U34.A2
IAS0_D1_D_N: J7.29 U34.B3
IAS0_D1_D_P: J7.30 U34.A3
IAS0_D2_D_N: J7.26 U34.B5
IAS0_D2_D_P: J7.27 U34.A5
IAS0_D3_D_N: J7.11 U34.B6
IAS0_D3_D_P: J7.10($PIN9) U34.A6
IAS0_EXTCLK: J7.32 U34.B10
IAS0_RESET: J7.21 U34.C10
IAS0_SCL: J7.14 R257.2 U34.B11
IAS0_SDA: J7.22 R258.2 U34.C11
IAS1_EXTCLK: J8.32 U17.18
IAS1_I2C_SCK: J8.14 R58.2 U18.7
IAS1_I2C_SDA: J8.22 R63.2 U18.6
IAS1_RESET_B: J8.21 R208.2 U19.14
IAS_2V75: C27.1 C28.1 C135.1 C142.1 J7.17 J7.18 J8.17 J8.18 R27.1 TP23.1(TP) U8.1
IAS_2V75_FB: C27.2 R27.2 R29.1 U8.4
ISP_EXTCLK: U17.19 U34.M2
ISP_I2C_SCK: R57.2 U18.5 U34.C12
